# Allegro board LAY-27392_C.brd (continued)
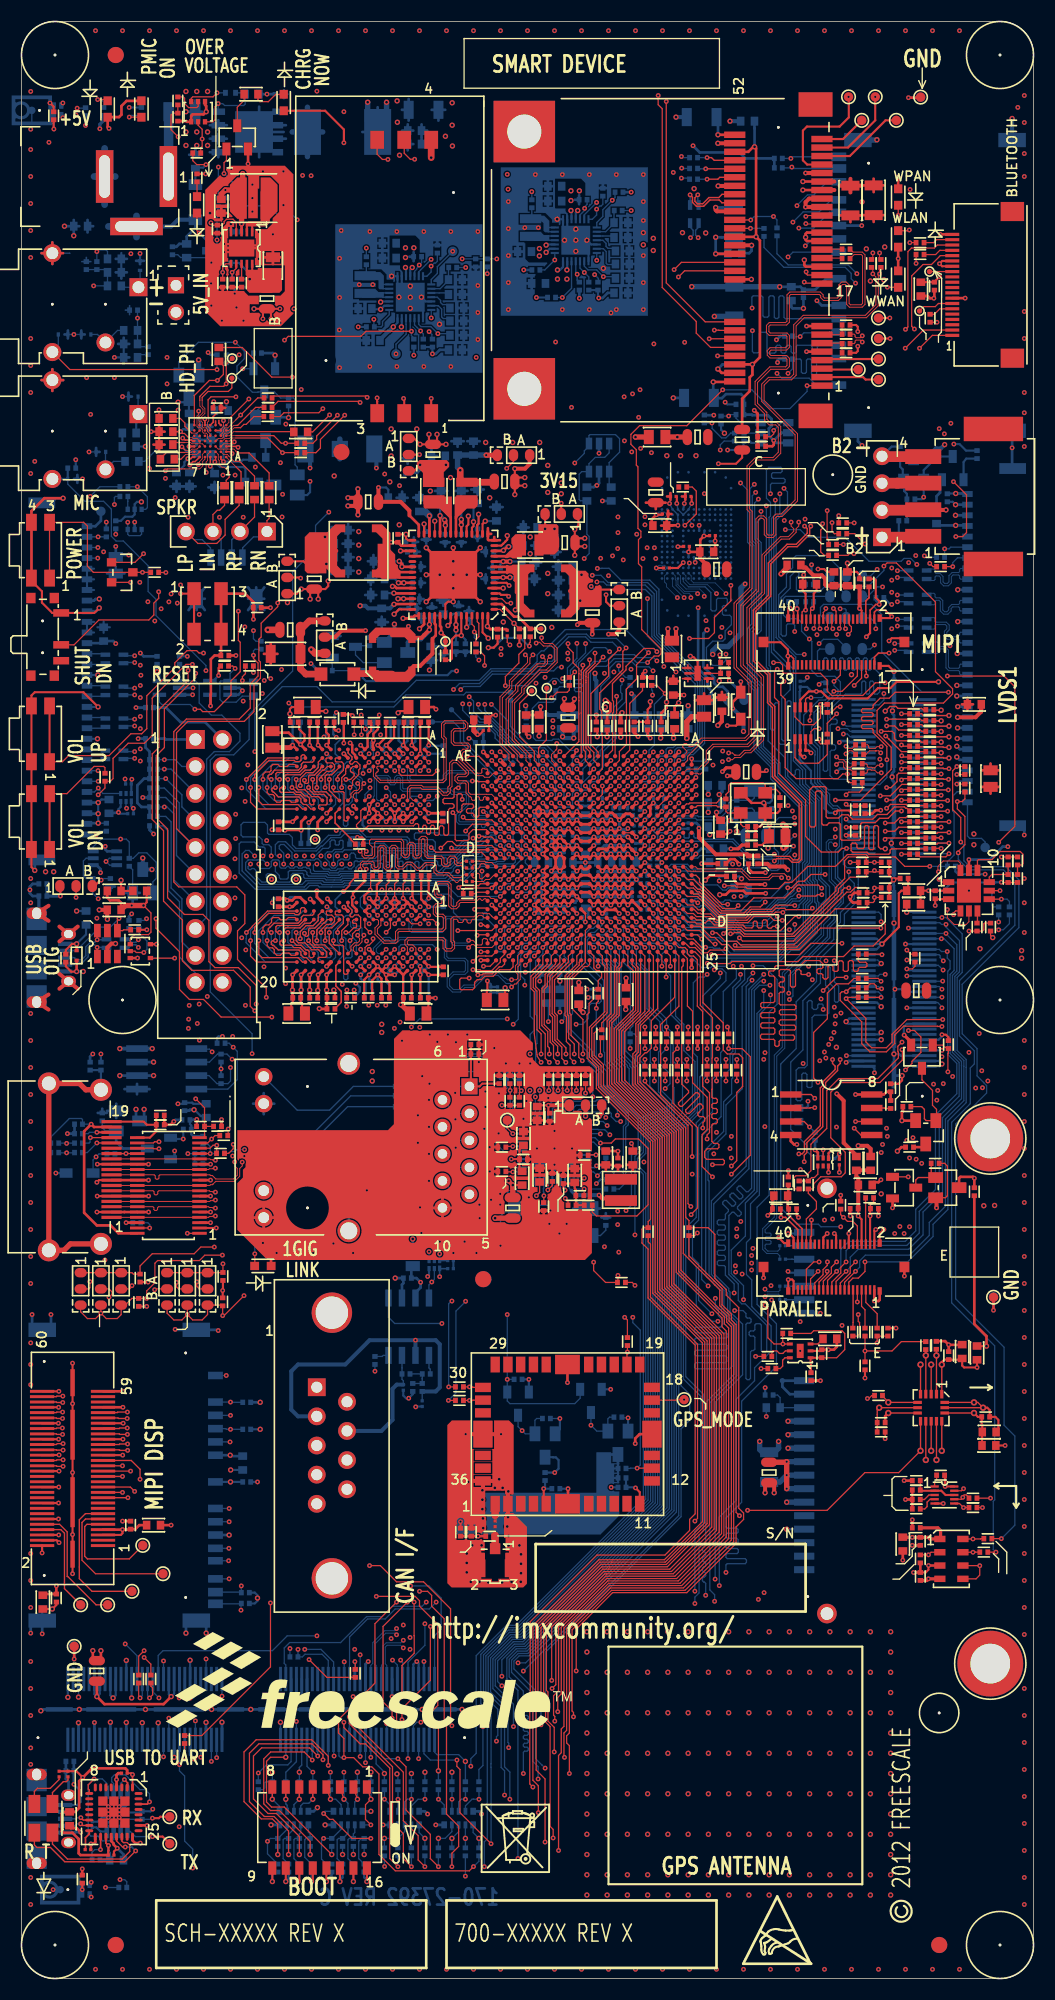
[diagram p0: board, top side]
## Routing (per net, layer and track width the routed paths; a pad name or vN(x,y) marks a point on that pad's centre or on a via; arc(x,y) is an arc through that point) (continued)
TP34: length 4.5
  TOP w0.203: TP3.1 77.31,173.07 J1.51
TP35: length 5.6
  BOTTOM w0.127: J502.30 89.01,107.5 89.24,107.28 90.34,107.28 90.68,106.93 TP504.1
TP38: length 3.8
  BOTTOM w0.127: v1(35.26,152.86) 35.26,153.77 36.21,154.72 36.21,155.63 36.2,155.64 U503.19
TP40: length 4
  BOTTOM w0.127: U503.8 38.57,159.86 39.14,160.43 39.14,161.06 v1(40.59,162.51)
TP509: length 11.2
  TOP w0.127: U1.AA3 v1(47.47,113.01)
  BOTTOM w0.119: v1(47.47,113.01) 47.22,113.01 46.83,113.4 46.7,113.4 46.69,113.41 44.66,113.41 41.61,116.46 41.61,118.24 TP509.1
TP510: length 12.6
  TOP w0.127: U1.AA4 v1(47.47,112.21)
  BOTTOM w0.119: v1(47.47,112.21) 47.06,112.62 44.9,112.62 44.67,112.85 44.67,112.97 41.3,116.33 41.3,117.6 40.66,118.24 TP510.1
TP_404: length 15.2
  TOP w0.203: C82.1 43.38,84.21 43.12,83.95 J7.1 42.3,84.08 C81.1 C80.1
  BOTTOM w0.127: TP505.1 39.22,84.43 40.49,84.43 40.97,83.95 J7.1
TS_A0: length 3.3
  TOP w0.119: U11.9 91.06,103.64 91.31,103.88 R101.2 R92.1
TS_A1: length 8
  TOP w0.119: 94.23,105.79 93.98,106.05 92.08,106.05 91.31,105.28 90.04,105.28 89.95,105.19 U11.10
  TOP w0.127: 94.23,105.79 94.23,104.9 94.11,104.77 93.73,104.77 R93.1 R102.2
TS_INT: length 41.7
  TOP w0.119: R110.1 90.43,98.56 90.55,98.68 90.55,99.23 90.63,99.31 R111.2
  TOP w0.127: R128.1 v1(65.53,87.5) ; v1(89.16,98.56) R110.1
  L3_INT_1 w0.114: v1(89.16,98.56) 89.16,95.74 88.21,94.79 88.21,88.44 89.15,87.5 v1(89.15,87.15)
  L6_INT_2 w0.114: v1(89.15,87.15) 89.15,87.61 88.93,87.83 85.45,87.83 84.15,86.54 82.59,86.54 82.16,86.11 79.3,86.11 78.79,85.6 69.47,85.6 67.18,87.89 65.92,87.89 v1(65.53,87.5)
TS_PWR_ON: length 3.1
  BOTTOM w0.203: R566.2 88.9,143.01 88.65,142.68 Q507.1
TS_SCL: length 3.7
  TOP w0.119: v1(92.08,102.36) U11.8
  BOTTOM w0.119: R622.2 91.45,100.83 91.31,100.97 91.31,102.11 91.57,102.36 v1(92.08,102.36)
TS_SDA: length 2.5
  TOP w0.119: v1(92.2,101.56) U11.7
  BOTTOM w0.119: R621.2 92.96,101.35 92.75,101.56 v1(92.2,101.56)
TS_XN: length 133.7
  TOP w0.094: v1(77.59,115.95) 77.79,115.75 78.16,115.75 R55.2
  L3_INT_1 w0.097: v1(35.94,31.13) 36.31,31.5 50.5,31.5 52.58,33.58 69.52,33.58 72.31,36.37 72.31,40.56 73.11,41.36 73.79,42.04 73.79,56.36 73.79,56.46 72.36,57.88 72.36,65.12 72.76,65.52 72.76,68.7 73.73,69.66 73.73,71.88 72.77,72.84 72.77,76.5 72.37,76.9 72.37,78.97 73.52,80.13 73.52,83.69 74.74,84.9 74.74,89.54 73.82,90.46 73.82,93.44 73.48,93.78 73.32,93.93 73.32,97.51 76.12,100.31 76.12,100.63 76.86,101.37 76.86,105.47 77.22,105.83 77.22,111.94 79.38,114.1 79.38,115.27 78.94,115.7 78.2,115.7 77.96,115.95 v1(77.59,115.95)
  BOTTOM w0.094: v1(35.94,31.13) 35.69,31.37 34.42,31.37 34.25,31.2 34.25,29.62 34.38,29.48 J508.101 ; J504.101 77.7,115.84 v1(77.59,115.95)
TS_XP: length 133.2
  TOP w0.094: v1(77.59,115.23) 77.88,115.52 78.16,115.52 R58.2
  L3_INT_1 w0.097: v1(35.94,31.84) 36.06,31.72 50.4,31.72 52.49,33.8 69.42,33.8 72.08,36.46 72.08,40.65 73.01,41.59 73.29,41.86 73.56,42.13 73.56,56.36 72.14,57.78 72.14,65.21 72.53,65.61 72.53,68.79 73.5,69.76 73.5,71.78 72.54,72.74 72.54,76.4 72.14,76.81 72.14,79.07 73.3,80.22 73.3,83.78 74.51,85 74.51,89.45 73.59,90.37 73.59,93.35 73.38,93.55 73.1,93.84 73.1,97.61 75.89,100.4 75.89,100.72 76.63,101.46 76.63,105.57 76.99,105.93 76.99,112.04 79.15,114.2 79.15,115.17 78.84,115.47 78.2,115.47 77.96,115.23 v1(77.59,115.23)
  BOTTOM w0.094: v1(35.94,31.84) 35.7,31.6 34.32,31.6 34.02,31.29 34.02,29.62 33.88,29.49 J508.99 ; J504.99 77.7,115.34 v1(77.59,115.23)
TS_YN: length 134.5
  TOP w0.094: v1(76.7,114.95) 76.96,114.68 77.34,114.68 77.6,114.43 77.6,114.08 77.71,113.97 78.03,113.97 R61.2
  L3_INT_1 w0.097: v1(35.31,32.36) 35.43,32.48 35.49,32.48 35.54,32.54 37.19,32.54 37.46,32.26 50.44,32.26 52.34,34.16 69.28,34.16 71.73,36.61 71.73,40.8 72.87,41.94 72.87,56.38 70.97,58.28 70.97,60.33 71.33,60.69 71.33,68.08 72.87,69.63 72.87,70.48 72.39,70.96 72.39,72.03 71.68,72.75 71.68,79.1 72.82,80.24 72.82,81.99 72.95,82.12 72.95,83.93 74.16,85.14 74.16,89.3 73.24,90.22 73.24,93.2 72.75,93.69 72.75,97.82 75.54,100.62 75.54,100.87 76.28,101.61 76.28,106.46 76.2,106.53 76.2,111.76 77.35,112.91 77.35,113.49 77.57,113.72 77.57,114.39 77.26,114.7 76.94,114.7 v1(76.7,114.95)
  BOTTOM w0.094: v1(35.31,32.36) 35.15,32.51 34.29,32.51 33.3,31.52 33.3,29.57 33.38,29.48 J508.97 ; v1(76.7,114.95) 76.94,114.7 77.81,114.7 77.95,114.84 J504.97
TS_YP: length 134.2
  TOP w0.094: R64.2 78.03,113.74 77.61,113.74 77.37,113.99 77.37,114.33 77.25,114.45 76.92,114.45 v1(76.7,114.23)
  L3_INT_1 w0.097: v1(35.31,32.94) 35.48,32.77 37.28,32.77 37.56,32.49 50.35,32.49 52.25,34.38 69.18,34.38 71.5,36.7 71.5,40.89 72.64,42.03 72.64,56.29 70.74,58.19 70.74,60.42 71.1,60.78 71.1,68.18 72.64,69.72 72.64,70.39 72.17,70.86 72.17,71.94 71.45,72.65 71.45,79.2 72.59,80.33 72.59,82.08 72.72,82.21 72.72,84.02 73.93,85.24 73.93,89.21 73.01,90.13 73.01,93.11 72.52,93.6 72.52,97.92 75.31,100.71 75.31,100.96 76.05,101.7 76.05,106.36 75.97,106.43 75.97,111.86 77.12,113 77.12,113.59 77.34,113.82 77.34,114.3 77.17,114.47 76.94,114.47 v1(76.7,114.23)
  BOTTOM w0.094: J504.95 77.95,114.34 77.81,114.47 76.94,114.47 v1(76.7,114.23) ; J508.95 32.88,29.48 33.07,29.67 33.07,31.61 34.2,32.74 35.15,32.74 35.31,32.89 v1(35.31,32.94)
TXD233: length 7.7
  TOP w0.171: U22.30 11.86,16.43 v1(12.07,16.64)
  BOTTOM w0.119: U519.2 8.69,18.36 8.51,18.54 8.51,18.92 8.76,19.18 9.78,19.18 9.84,19.12 9.86,19.12 10.09,18.89 10.09,18.87 11.16,17.79 11.67,17.79 12.07,17.4 v1(12.07,16.64)
TXLED: length 11.1
  TOP w0.127: D12.4 2.93,12.67 4.35,11.26 9.49,11.26 10.21,11.97 10.21,12.57 9.96,12.81 9.61,12.81 9.47,12.95 U22.22
UART1_RX: length 200
  TOP w0.119: v1(21.97,91.06) 21.54,91.49 21.54,93.29 19.96,94.87 16.05,94.87 15.16,95.76 15.16,99.59 13.39,101.37 13.39,108 12.32,109.06 12.32,115.22 12.95,115.85 12.95,119.38 15.7,122.12 v1(15.7,123.09) ; v1(56.9,125.2) 56.9,125.18 56.59,124.88 56.59,123.14 54.42,120.96 54.42,119.45 54.61,119.25 54.61,117.09 54.67,117.04 54.67,113.81 U1.M3
  TOP w0.203: v1(12.34,15.11) 12.95,15.11 13.08,15.24 TP27.1
  L3_INT_1 w0.114: v1(12.34,15.11) 12.93,15.69 12.93,17.4 11.99,18.34 11.99,21.76 12.45,22.23 12.45,26.62 14.23,28.4 26.16,28.4 27.51,29.74 27.51,31.45 27.06,31.9 27.06,32.51 24.41,35.15 24.41,69.34 23.88,69.88 23.88,86.49 21.97,88.39 v1(21.97,91.06) ; v1(15.7,123.09) 16.11,123.09 18.29,125.27 24.21,125.27 26.14,123.34 26.14,121.49 27.51,120.12 34.39,120.12 35.56,121.28 v1(40.67,121.28)
  BOTTOM w0.119: v1(40.67,121.28) 41.22,121.84 43.1,121.84 44.27,123.01 47.96,123.01 48.87,123.93 49.91,123.93 50.14,124.15 50.14,125.3 51.33,126.49 53.17,126.49 53.56,126.1 55.99,126.1 v1(56.9,125.2) ; 9.66,15 R694.2 12.23,15 v1(12.34,15.11)
  BOTTOM w0.127: 9.66,15 9.34,14.68 U519.6
UART1_TX: length 197.2
  TOP w0.119: v1(22.1,91.69) 22.1,93.45 20.42,95.12 18.21,95.12 17.65,95.68 17.65,99.57 17.09,100.13 15.34,100.13 13.77,101.7 13.77,108.15 12.7,109.22 12.7,115.06 13.46,115.82 13.46,119.46 16.41,122.4 v1(16.41,122.81) ; v1(56.26,125.09) 55.25,124.09 55.25,122.56 53.59,120.9 53.59,116.08 54.27,115.4 U1.M1
  TOP w0.203: TP28.1 13.3,13.37 v1(12.34,13.37)
  L3_INT_1 w0.114: v1(22.1,91.69) 22.73,91.06 22.73,88.39 24.3,86.83 24.3,70.35 24.71,69.93 24.71,35.41 27.3,32.82 27.3,32.11 27.84,31.57 27.84,29.46 26.47,28.09 14.88,28.09 13.39,26.59 13.39,22.3 12.57,21.49 12.57,18.59 13.73,17.44 13.73,14.76 v1(12.34,13.37) ; v1(41.34,121.27) 40.88,120.82 35.61,120.82 34.7,119.9 27.33,119.9 25.83,121.4 25.83,123.22 24.15,124.89 20.05,124.89 19.91,124.75 18.35,124.75 v1(16.41,122.81)
  BOTTOM w0.119: v1(56.26,125.09) 55.63,125.73 53.59,125.73 53.09,126.24 51.5,126.24 50.36,125.09 50.36,124.06 50,123.7 49.25,123.7 48.29,122.73 44.32,122.73 43.16,121.57 41.63,121.57 v1(41.34,121.27)
  BOTTOM w0.127: U519.5 10.26,13.85 10.74,13.37 v1(12.34,13.37)
UART3_RXD: length 52.5
  TOP w0.119: R192.1 v1(40.21,55.68)
  TOP w0.254: R126.1 v1(63.63,87.5)
  L3_INT_1 w0.114: v1(63.63,87.5) 63.63,86.74 63.43,86.54 63.43,83.14 61.19,80.9 61.19,72.98 61.12,72.91 61.12,67.95 57.81,64.64 41.33,64.64 40.51,63.82 v1(40.51,63.75)
  BOTTOM w0.119: v1(40.51,63.75) 40.46,63.75 40.21,63.5 v1(40.21,55.68)
UART3_TXD: length 54.3
  TOP w0.119: R194.1 v1(40.18,54.41)
  TOP w0.127: R127.1 v1(64.52,87.5)
  L3_INT_1 w0.114: v1(41.8,63.73) 41.78,63.73 41.78,63.7 42.09,64.01 58.04,64.01 61.55,67.52 61.55,72.73 61.62,72.8 61.62,80.72 63.86,82.96 63.86,85.23 64.99,86.36 64.99,86.65 64.52,87.12 v1(64.52,87.5)
  BOTTOM w0.119: v1(41.8,63.73) 41.78,63.73 41.78,63.7 40.89,62.81 40.89,55.12 v1(40.18,54.41)
UOK_B: length 154.6
  TOP w0.119: v1(14.43,96.01) 12.16,96.01 U13.4
  TOP w0.178: U1.W21 v1(48.27,98.61)
  L3_INT_1 w0.114: v1(25.65,157.1) 25.65,152.43 26.97,151.1 26.97,143.05 27.57,142.46 27.57,142.43 27.57,140.19 26.87,139.49 26.87,135.26 21.94,130.33 20.6,130.33 17.09,126.82 15.77,126.82 14.96,126.01 14.96,92.41 v1(15.8,91.57)
  L6_INT_2 w0.114: v1(46.28,89.79) 43.51,89.79 41.44,87.72 34.49,87.72 32.57,89.64 21.01,89.64 20.54,90.11 18.55,90.11 17.42,91.24 16.13,91.24 v1(15.8,91.57) 14.91,92.46 14.91,95.53 v1(14.43,96.01) ; v1(25.65,157.1) 31.67,157.1 32.26,156.51 36.96,156.51 38.02,157.58 50.32,157.58 v1(50.9,158.17)
  BOTTOM w0.119: R542.2 v1(50.9,158.17) ; v1(48.27,98.61) 47.86,98.2 47.86,97.65 47.61,97.4 47.31,97.4 47.08,97.17 47.08,96.81 46.76,96.49 46.76,90.27 v1(46.28,89.79)
  BOTTOM w0.127: U502.19 51.77,159.03 v1(50.9,158.17)
USB_BAT_CHG: length 2
  TOP w0.203: v1(7.52,103.35) 7.44,103.35 6.88,102.79 R103.3
  BOTTOM w0.119: v1(7.52,103.35) 7.52,103.37 7.65,103.5 R617.2
USB_CBL_ATT: length 5
  TOP w0.119: U13.2 10.69,96.67 10.82,96.54 v1(11.53,96.54)
  BOTTOM w0.119: v1(11.53,96.54) 11.82,96.84 11.82,97.62 11.07,98.37 R723.2 R724.1
USB_H1_OC: length 49.9
  TOP w0.119: R134.1 v1(61.72,84.45)
  L6_INT_2 w0.114: v1(61.72,84.45) 60.51,85.67 56.57,85.67 54.61,87.63 45.82,87.63 43.75,85.56 33.88,85.56 31.84,87.6 20.93,87.6 v1(19.84,86.5)
  BOTTOM w0.119: U515.2 17.7,86.23 18.46,86.99 R629.2 19.35,86.99 v1(19.84,86.5)
USB_H1_PWR_EN: length 47.9
  TOP w0.119: U1.W20 48.67,99.81 v1(48.27,99.41)
  L6_INT_2 w0.114: v1(47.87,87) 45.9,87 43.77,84.88 38.47,84.88 38.07,84.48 36.93,84.48 36.53,84.88 29.29,84.88 28.06,86.11 18.61,86.11 17.96,86.77 v1(17.96,87.2)
  BOTTOM w0.119: v1(48.27,99.41) 48.66,99.02 48.66,96.85 48.43,96.62 48.13,96.62 47.88,96.37 47.88,96.05 47.88,96.05 47.88,90.55 48.26,90.17 48.26,89.23 47.87,88.84 v1(47.87,87) ; U515.1 16.53,87.45 17.7,87.45 v1(17.96,87.2)
USB_H1_VBUS: length 12.2
  TOP w0.254: v1(70.03,102.11) 68.17,102.11 67.93,102.35 66.65,102.35 66.28,101.98 v2(65.71,101.98) ; v1(70,104.06) 68.78,104.06 68.43,104.42 R301.1
  L6_INT_2 w0.254: v1(70.03,102.11) 70.54,102.62 70.54,103.53 v1(70,104.06)
  BOTTOM w0.381: v2(12.32,87.5) U515.8 v2(9.27,87.5)
  vias: v2(33.91,89.79) v2(33.91,89.03)
USB_HOST_DN: length 92.4
  TOP w0.135: v1(74.28,136.65) 74.28,136.53 74.17,136.43 74.17,135.89 73,134.72 72.14,134.72 70.51,133.1 70.51,130.07 69.09,128.65 69.09,124.08 70.43,122.74 70.43,120.14 70.89,119.68 70.89,113.18 73.41,110.66 73.41,105.31 73.13,105.03 72.52,105.03 72.19,105.36 71.05,105.36 v1(70.85,105.16)
  TOP w0.178: v1(59.47,108.21) U1.F10
  L3_INT_1 w0.135: v1(62.96,163.79) 62.96,163.42 63.21,163.17 63.21,161.66 65.68,159.18 65.68,154.08 64.16,152.55 64.16,141.63 67.47,138.32 67.47,136.77 68.99,135.26 73.66,135.26 74.1,135.69 74.1,136.1 74.28,136.28 v1(74.28,136.65)
  BOTTOM w0.135: v1(62.96,163.79) 63.21,164.04 63.21,164.49 62.92,164.78 L500.1 ; v1(70.85,105.16) 70.67,105.33 68.53,105.33 66.88,106.98 64.08,106.98 64.05,107.01 60.11,107.01 59.86,107.25 59.86,107.57 59.86,107.58 59.61,107.83 59.61,107.83 59.47,107.97 v1(59.47,108.21)
USB_HOST_DP: length 92.8
  TOP w0.135: v1(73.69,136.65) 73.71,136.65 73.94,136.43 73.94,135.98 72.9,134.95 72.04,134.95 70.28,133.19 70.28,130.16 68.86,128.74 68.86,123.98 70.2,122.65 70.2,120.04 70.66,119.59 70.66,113.08 73.18,110.57 73.18,105.4 73.03,105.26 72.61,105.26 72.28,105.59 71.05,105.59 v1(70.85,105.79)
  TOP w0.178: U1.E10 v1(60.27,108.21)
  L3_INT_1 w0.135: v1(73.69,136.65) 73.69,136.28 73.87,136.1 73.87,135.79 73.57,135.48 69.08,135.48 67.7,136.86 67.7,138.41 64.39,141.73 64.39,152.46 65.91,153.98 65.91,159.28 63.44,161.75 63.44,163.13 63.58,163.27 63.83,163.27 63.96,163.4 63.96,163.65 63.83,163.78 63.69,163.78 v1(63.68,163.79)
  BOTTOM w0.135: v1(63.68,163.79) 63.44,164.04 63.44,164.49 63.72,164.78 L500.4 ; v1(60.27,108.21) 60.24,108.18 59.95,108.18 59.84,108.07 59.84,107.92 59.95,107.81 60.45,107.81 60.6,107.67 60.76,107.67 60.91,107.81 61.23,107.81 61.39,107.65 61.53,107.65 61.7,107.81 62.27,107.81 62.36,107.72 62.36,107.39 62.43,107.31 62.76,107.31 62.84,107.39 62.84,107.7 62.97,107.82 63.14,107.82 63.27,107.7 63.27,107.44 63.4,107.31 64.05,107.31 64.09,107.28 64.11,107.28 64.17,107.21 66.98,107.21 68.63,105.56 70.61,105.56 v1(70.85,105.79)
USB_OTG_CHG_DE: length 3.4
  BOTTOM w0.119: Q512.5 6.1,105.41 5.84,105.16 5.84,103.76 6.1,103.5 6.72,103.5 R618.1
USB_OTG_CON_DN: length 6.1
  TOP w0.135: U12.1 7.14,96.19 v1(7.14,97.02)
  BOTTOM w0.135: L520.2 7.98,97.02 v1(7.14,97.02) 6.9,97.27 6.59,97.27 6.3,96.98 6.3,96.15 5.78,95.63 5.21,95.63 4.98,95.41 J505.2
USB_OTG_CON_DP: length 6.1
  TOP w0.135: v1(7.14,97.74) 7.14,98.58 U12.6
  BOTTOM w0.135: J505.3 5.01,96.06 5.21,95.86 5.69,95.86 6.07,96.24 6.07,97.07 6.5,97.5 6.9,97.5 v1(7.14,97.74) 7.98,97.74 L520.3
USB_OTG_CON_GND: length 5.5
  TOP w0.203: v2(5.21,97.36) 4.77,97.36 4.19,96.77 C66.2
  TOP w0.254: TVS1.2 5.21,97.36 v2(5.21,97.36)
  BOTTOM w0.203: L519.2 6.1,98.25 v2(5.21,97.36) J505.5
USB_OTG_CON_VBUS: length 6
  TOP w0.203: C66.1 4.19,95.25 4.7,94.74 5.19,94.74 v2(5.21,94.76)
  TOP w0.254: TVS1.1 v2(5.21,94.76)
  TOP w0.381: v2(8.1,99.67) 8.09,99.68 L15.2 v2(7.34,100.56)
  BOTTOM w0.203: J505.1 v2(5.21,94.76)
  BOTTOM w0.254: v2(5.21,94.76) v2(5.83,94.76)
USB_OTG_DN: length 144.9
  TOP w0.109: U1.B6 v1(62.67,111.41)
  TOP w0.135: v1(77.04,86.47) 77.04,86.1 76.8,85.85 76.8,85.44 75.67,84.31 75.67,83.98 75.4,83.71 75.4,80.16 73.91,78.66 73.91,77.73 73.66,77.48 v1(73.66,76.86)
  L6_INT_2 w0.135: v1(73.66,76.86) 73.56,76.96 73.15,76.96 72.8,76.61 71.7,76.61 68.5,73.41 62.61,73.41 60.6,71.4 51.59,71.4 51.42,71.57 46.47,71.57 45.88,72.16 41.43,72.16 40.05,73.54 29.86,73.54 24.38,79.02 22.17,79.02 12.07,89.12 12.07,97.07 11.86,97.27 11.63,97.27 11.39,97.02 v1(11.02,97.02) ; v1(62.67,111.41) 63.07,111.81 63.07,113.95 63.63,114.5 63.63,115.29 64.65,116.31 70.2,116.31 73.86,112.65 77.39,112.65 78.74,111.3 78.74,104.07 76.81,102.14 76.81,96.61 80.06,93.36 80.06,88.19 79.4,87.53 77.55,87.53 76.83,86.82 76.83,86.68 v1(77.04,86.47)
  BOTTOM w0.135: L520.1 10.09,96.98 10.38,97.27 10.77,97.27 v1(11.02,97.02)
USB_OTG_DP: length 144.9
  TOP w0.135: v1(76.32,86.47) 76.32,86.1 76.57,85.85 76.57,85.53 75.44,84.4 75.44,84.07 75.17,83.81 75.17,80.25 73.68,78.76 73.68,77.82 73.46,77.6 v1(73.15,77.6) ; U1.A6 63.13,111.01 v1(63.5,111.38)
  L6_INT_2 w0.135: v1(11.02,97.74) 11.39,97.74 11.63,97.5 11.96,97.5 12.29,97.16 12.29,96.83 12.42,96.7 12.42,96.34 12.29,96.22 12.29,89.22 22.26,79.25 24.48,79.25 29.96,73.77 40.15,73.77 41.53,72.39 45.97,72.39 46.56,71.8 51.52,71.8 51.69,71.63 60.51,71.63 62.52,73.63 68.41,73.63 71.61,76.83 72.7,76.83 73.15,77.28 v1(73.15,77.6) ; v1(63.5,111.38) 63.5,111.63 63.86,112 63.86,112.42 63.99,112.55 64.52,112.55 64.64,112.67 64.64,113 64.52,113.13 63.99,113.13 63.68,113.45 63.68,114.23 63.86,114.41 63.86,115.19 64.74,116.08 70.1,116.08 73.76,112.42 77.3,112.42 78.51,111.21 78.51,104.17 76.58,102.23 76.58,96.51 79.83,93.26 79.83,88.28 79.31,87.76 77.45,87.76 76.61,86.91 76.61,86.76 v1(76.32,86.47)
  BOTTOM w0.135: L520.4 10.09,97.78 10.38,97.5 10.77,97.5 v1(11.02,97.74)
USB_OTG_ID: length 60.5
  TOP w0.119: v1(23.57,90.47) 18.8,90.47 17.14,92.13 15.82,92.13 14.88,93.07 14.88,96.62 12.67,98.83 v1(12.67,99.72) ; R112.2 9.62,98.68 9.55,98.6 U12.4 9.04,99.59 v1(9.19,99.75) ; v1(48.27,97.01) 48.67,97.41 U1.W23
  L3_INT_1 w0.114: v1(23.57,90.47) 33.73,90.47 33.93,90.68 44.91,90.68 47.37,93.14 v1(47.37,93.47)
  L6_INT_2 w0.114: v1(9.19,99.75) 9.86,99.75 10.13,99.47 10.9,99.47 11.56,100.13 12.27,100.13 v1(12.67,99.72)
  BOTTOM w0.119: v1(9.19,99.75) 8.38,98.93 7.39,98.93 5.17,96.71 J505.4 ; v1(47.37,93.47) 47.37,93.98 46.99,94.36 46.99,96.28 47.33,96.62 47.63,96.62 47.86,96.85 47.86,96.85 48.01,97.01 v1(48.27,97.01)
USB_OTG_OC: length 54.3
  TOP w0.119: R125.1 v1(62.74,87.5)
  L3_INT_1 w0.114: v1(19.89,88.65) 19.89,88.19 19.39,87.69 19.39,86.36 19.69,86.07 v1(19.69,85.72)
  L6_INT_2 w0.114: v1(62.74,87.5) 62.33,87.1 57.91,87.1 57.68,86.87 56.87,86.87 56.24,87.5 55.25,88.49 43.92,88.49 41.95,86.53 34.16,86.53 32.15,88.54 20,88.54 v1(19.89,88.65)
  BOTTOM w0.119: v1(19.69,85.72) 19.69,84.45 19.44,84.21 R639.2 18.41,84.21 17.65,84.96 U515.3
USB_OTG_PWR_EN: length 84.4
  TOP w0.127: R137.1 v1(65.41,84.45)
  L6_INT_2 w0.114: v1(7.24,101.6) 7.98,100.86 7.98,100.33 7.69,100.04 7.69,99.27 8.12,98.84 10.91,98.84 v1(11.79,99.72) 13.61,97.9 13.61,90.81 16.79,87.63 v1(19.94,87.63) 20.12,87.81 31.93,87.81 33.94,85.8 43.59,85.8 45.63,87.85 54.7,87.85 56.66,85.88 60.95,85.88 61.99,84.84 65.02,84.84 v1(65.41,84.45)
  BOTTOM w0.119: v1(7.24,101.6) 6.73,102.11 R618.2 ; v1(11.79,99.72) 11.63,99.56 R723.1 ; U515.4 19.43,83.69 20.32,84.58 20.32,87.25 v1(19.94,87.63) 19.56,88.01 R628.1
USB_OTG_VBUS: length 3.5
  TOP w0.178: v1(60.27,109.01) U1.E9
  BOTTOM w0.254: v2(11.56,81.79) 11.56,81.03 11.23,80.7 Q514.3 11.13,80.7 10.79,81.03 v2(10.79,81.79)
  BOTTOM w0.305: v1(60.27,109.01) C642.1
  vias: v1(67.06,101.8) v2(33.02,85.34) v2(33.02,84.45)
USB_SUSPEND_B: length 12.7
  TOP w0.127: v1(6.86,18.8) 6.3,18.24 6.3,17.85 6.39,17.76 U22.9
  BOTTOM w0.127: U519.7 8.69,13.1 8.56,12.97 7.67,12.97 7.22,13.42 6.55,13.42 6.3,13.66 6.3,18.24 v1(6.86,18.8) 7.63,18.8 8.04,18.38 U519.1
USR_DEF_RED_LED: length 50.5
  L3_INT_1 w0.114: v1(25.96,165.47) 25.96,165.06 26.21,164.81 26.21,152.45 27.23,151.43 27.23,143.1 27.78,142.55 27.78,140.1 27.08,139.4 27.08,135.17 22.48,130.56 22.48,127.46 v1(21.84,126.82)
  BOTTOM w0.119: v1(21.84,126.82) 21.84,126.06 22.08,125.83 R588.2 ; R523.1 23.26,166.78 24.16,165.89 25.55,165.89 v1(25.96,165.47)
VCOREDIG: length 6.3
  TOP w0.203: R33.1 39.93,124.05 40.36,124.05 40.51,124.21 40.51,126.01 40.87,126.36 v2(41.4,126.36) U8.51
  BOTTOM w0.203: v2(41.4,126.36) 41.8,125.96 41.8,125.61 C600.1
VGEN1_1V5: length 24.3
  TOP w0.203: U8.16 43.4,136.87 v2(43.65,137.12) ; v1(65.58,142.53) 67.24,142.53 67.82,143.1 SH2.1
  TOP w0.381: SH23.3 54.61,81.41 54.36,81.15 v2(54.36,81.12)
  L3_INT_1 w0.381: v2(54.36,81.12) 54.36,81.53 54.74,81.91 57.53,81.91 58.58,80.87 v1(58.58,76.83)
  L6_INT_2 w0.203: v1(37.21,29.85) v1(37.88,29.85)
  BOTTOM w0.119: v1(50.67,52.7) R669.1
  BOTTOM w0.203: Q519.2 50.67,51.71 v1(50.67,52.7) ; v2(43.65,137.12) 44.43,137.12 C556.1 ; J508.115 v1(37.88,29.85) ; J508.111 36.88,29.57 37.16,29.85 v1(37.21,29.85) 37.38,29.67 J508.113
  vias: v2(50.8,140.72) v2(50.8,139.7)
VGEN2_1V5: length 5.6
  TOP w0.203: R157.1 v1(72.16,76.02) ; U8.18 42.4,136.5 42.54,136.65 v2(42.54,137.06)
  BOTTOM w0.203: v2(42.54,137.06) 42.54,138.42 C550.1 ; v1(74.35,133.02) 74.35,132.18 74.52,132.01 R726.1
  vias: v2(80.9,73.84)
VGEN3_2V5: length 30.1
  TOP w0.254: U8.26 v2(38.4,137.63)
  TOP w0.381: v1(76.72,83.25) 77.37,82.6 77.37,78.64 78.56,77.44 L26.2
  TOP w0.508: v1(71.48,132.16) 72.04,132.73 L25.2
  TOP w0.635: v1(71.68,108.56) 71.9,108.34 R85.1 71.9,106.6 v1(71.7,106.4)
  L3_INT_1 w0.381: v1(77.6,86.2) 76.72,85.32 v1(76.72,83.25)
  L6_INT_2 w0.508: v1(68.1,131.22) 69.47,131.22 70.13,131.88 70.59,131.88 70.87,132.16 v1(71.48,132.16)
  BOTTOM w0.254: J504.3 77.83,86.34 77.69,86.2 v1(77.6,86.2)
  BOTTOM w0.508: v1(68.1,131.22) 67.71,130.83 67.71,126.54 66.5,125.32 65.46,125.32 65.05,124.92 v2(65.05,124.59)
  BOTTOM w0.635: C554.1 37.99,138.03 v2(38.4,137.63)
  vias: v1(56.11,134.54) v1(56.13,136.04) v2(65.66,122.1)
VGEN4_1V8: length 8.9
  TOP w0.254: U8.28 37.4,136.78 36.51,137.66
  TOP w0.381: v1(33.6,140.28) SH9.2 35.69,138.94 36.51,138.11 36.51,137.66
  BOTTOM w0.203: v1(33.6,140.28) 34.33,140.28 34.53,140.08 C553.1
VGEN5_2V8: length 73
  TOP w0.203: SH17.1 69.98,113.54 v1(70.1,113.66) ; L10.2 75.81,132.35 75.54,132.61 v1(74.96,132.61)
  TOP w0.254: U8.39 35.08,130.32 v2(35.05,130.35)
  TOP w0.381: L17.2 79.91,78.08 79.59,78.36 v2(78.74,78.36)
  L3_INT_1 w0.203: v1(24.89,146.25) 19.89,151.26 19.89,152.37 17.3,154.97 17.3,160.53 16.03,161.8 16.03,173.91 15.7,174.24 11.95,174.24 v1(10.15,176.04) ; v2(35.05,130.35) 36.42,130.35 36.96,130.89 36.96,136.3 36.53,136.73 36.53,140.44 35.89,141.07 35.6,141.07 35.11,141.55 v1(34.19,141.55)
  L6_INT_2 w0.203: v1(34.19,141.55) 34.19,142.52 30.89,145.82 27.81,145.82 27.38,146.25 v1(24.89,146.25)
  BOTTOM w0.203: R507.1 v1(10.15,176.04) ; C584.1 34.36,130.35 v2(35.05,130.35)
  vias: v2(46.48,128.78)
VGEN6_3V3: length 10.1
  TOP w0.203: 35.14,129.32 v2(35.06,129.3)
  TOP w0.254: U8.41 35.14,129.32
  TOP w0.508: SH24.1 v2(44.58,71.55)
  L6_INT_2 w0.381: v2(31.88,129.16) 34.44,129.16 34.58,129.3 v2(35.06,129.3)
  BOTTOM w0.381: v2(31.88,129.16) 32.38,129.16 32.62,128.92 C595.1 34.69,128.92 v2(35.06,129.3)
VMIDC: length 3.3
  TOP w0.076: 15.37,144.52 15.93,144.52 16.05,144.4 17.03,144.4 U7.C5
  TOP w0.119: 15.37,144.52 14.46,144.52 C17.1
VSNVS_3V0: length 109.8
  TOP w0.119: R94.1 v1(77.98,105.03) ; R29.1 47.88,125.73 47.8,125.65 v1(47.8,125.37)
  TOP w0.178: U1.G11 58.27,107.01 v1(58.67,107.41)
  TOP w0.203: R31.1 44.81,125.58 44.45,125.22 v2(43.94,125.22) ; R97.1 R94.1
  TOP w0.254: R109.1 78.23,101.24 77.98,101.5 v1(77.98,101.78) 77.98,101.78 78.36,102.16 R106.1 ; R304.1 v1(23.44,128.98) ; v1(66.93,119.51) 66.93,120.1 67.69,120.87 D10.C v1(67.69,122.02)
  L3_INT_1 w0.114: v1(77.98,101.78) 78.24,102.04 78.24,104.36 77.98,104.62 v1(77.98,105.03)
  L3_INT_1 w0.203: v1(36.42,127.23) 37.15,127.95 38.65,127.95 38.94,127.66 38.94,127.58 38.95,127.57 38.95,126.17 39.29,125.83 40.54,125.83 41.15,125.22 v2(43.94,125.22)
  L6_INT_2 w0.178: v1(47.8,125.37) 47.62,125.55 47.62,126.49 49.29,128.16 51.69,128.16 51.91,128.38 52.76,128.38 53.04,128.1 59.66,128.1 60.2,128.64 62.78,128.64 v2(64.52,126.9)
  L6_INT_2 w0.203: v1(77.98,101.78) 79.17,102.98 79.17,103.5 79.5,103.84 79.5,111.76 78.61,112.65 78.61,121.03 79.93,122.35 79.93,122.76 79.63,123.06 78.49,123.06 v2(78.11,122.68) ; v1(13.16,128.88) 19.29,128.88 19.99,128.18 20.85,128.18 21.65,128.98 v1(23.44,128.98) 25.35,128.98 25.65,129.29 30.16,129.29 31.12,128.33 32.67,128.33 33.11,127.89 35.31,127.89 35.97,127.23 v1(36.42,127.23)
  BOTTOM w0.203: v1(58.67,107.41) 58.8,107.54 C657.1 ; v1(47.8,125.37) 47.73,125.37 46.96,126.14 45.34,126.14 44.42,125.22 v2(43.94,125.22)
  BOTTOM w0.254: v2(64.52,126.9) 64.17,126.56 64.17,123.43 65.18,122.43 65.18,121.9 65.54,121.54 66,121.54 66.47,121.07 R598.2
  BOTTOM w0.381: v2(67.94,117.35) 67.94,118.49 v1(66.93,119.51) 66.47,119.96 R598.2
WDOG_B: length 2.6
  TOP w0.119: R300.2 21.09,122.78 20.8,122.49 v1(20.8,122.12)
  BOTTOM w0.119: v1(20.8,122.12) 20.96,121.96 C504.1
WDOG_BUF: length 8.2
  TOP w0.119: R19.2 19.89,123.49 v1(20.12,123.27)
  BOTTOM w0.119: C504.2 20.79,120.66 20.22,120.09 18.95,120.09 18.69,120.35 18.69,122.02 18.76,122.09 U507.1 19.64,122.79 v1(20.12,123.27)
WOW: length 2.1
  TOP w0.119: TP30.1 85.89,160.6 85.89,160.6 J13.13
XN: length 23.2
  TOP w0.094: v1(80.9,115.91) 80.5,115.91 80.34,115.75 79.81,115.75 79.71,115.84 79.71,115.98 79.62,116.08 R55.1
  TOP w0.127: U11.4 87.91,100.45 87.71,100.25 v1(87.71,100.1)
  L6_INT_2 w0.097: v1(80.9,115.91) 81.36,115.91 81.58,115.69 83.26,115.69 85.47,113.48 85.47,106.05 86.66,104.85 87.34,104.85 87.83,104.36 87.83,102.34 87.71,102.22 v1(87.71,100.1)
XP: length 23.5
  TOP w0.094: v1(80.86,115.33) 80.66,115.52 80.44,115.52 80.42,115.52 80.41,115.52 80.39,115.52 80.39,115.52 80.38,115.52 79.81,115.52 79.47,115.19 R58.1
  TOP w0.127: v1(86.33,103.43) 86.6,103.16 U11.1
  L6_INT_2 w0.097: v1(80.86,115.33) 81.23,115.33 81.36,115.46 83.17,115.46 85.24,113.39 85.24,105.95 86.57,104.62 87.25,104.62 87.6,104.27 87.6,102.44 87.48,102.31 87.48,101.97 87.33,101.82 86.82,101.82 86.33,102.3 v1(86.33,103.43)
YN: length 26.2
  TOP w0.094: v1(87.12,100.58) 87.12,99.82 87.76,99.19 88.9,99.19 89.15,99.44 U11.5 ; v1(80.91,114.16) 80.54,114.16 80.29,113.92 80.06,113.92 80.01,113.97 79.68,113.97 79.58,114.06 79.58,114.21 79.49,114.3 R61.1
  L6_INT_2 w0.097: v1(87.12,100.58) 85.98,101.73 84.96,101.73 84.48,102.21 84.48,111.67 83.98,112.17 81.89,112.17 81.41,112.65 80.14,112.65 79.87,112.92 79.87,113.69 80.1,113.92 80.29,113.92 80.54,114.16 v1(80.91,114.16)
YP: length 26.4
  TOP w0.094: U11.12 88.35,104.94 88.14,105.16 86.74,105.16 86.23,104.65 86.23,104.19 v1(86.28,104.14) ; v1(80.91,113.45) 80.54,113.45 80.29,113.69 79.97,113.69 79.92,113.74 79.68,113.74 79.58,113.65 79.58,113.5 79.49,113.41 R64.1
  L6_INT_2 w0.097: v1(86.28,104.14) 85.89,103.75 85.89,103.36 85.8,103.26 85.39,103.26 85.29,103.17 85.29,103.01 85.39,102.91 85.8,102.91 85.89,102.82 85.89,102.15 85.7,101.96 85.06,101.96 84.71,102.3 84.71,111.76 84.07,112.4 81.98,112.4 81.5,112.88 80.23,112.88 80.1,113.01 80.1,113.59 80.2,113.69 80.29,113.69 80.54,113.45 v1(80.91,113.45)
